# Allegro board IMX7D EVK BOARD REV D_160314.brd (continued)
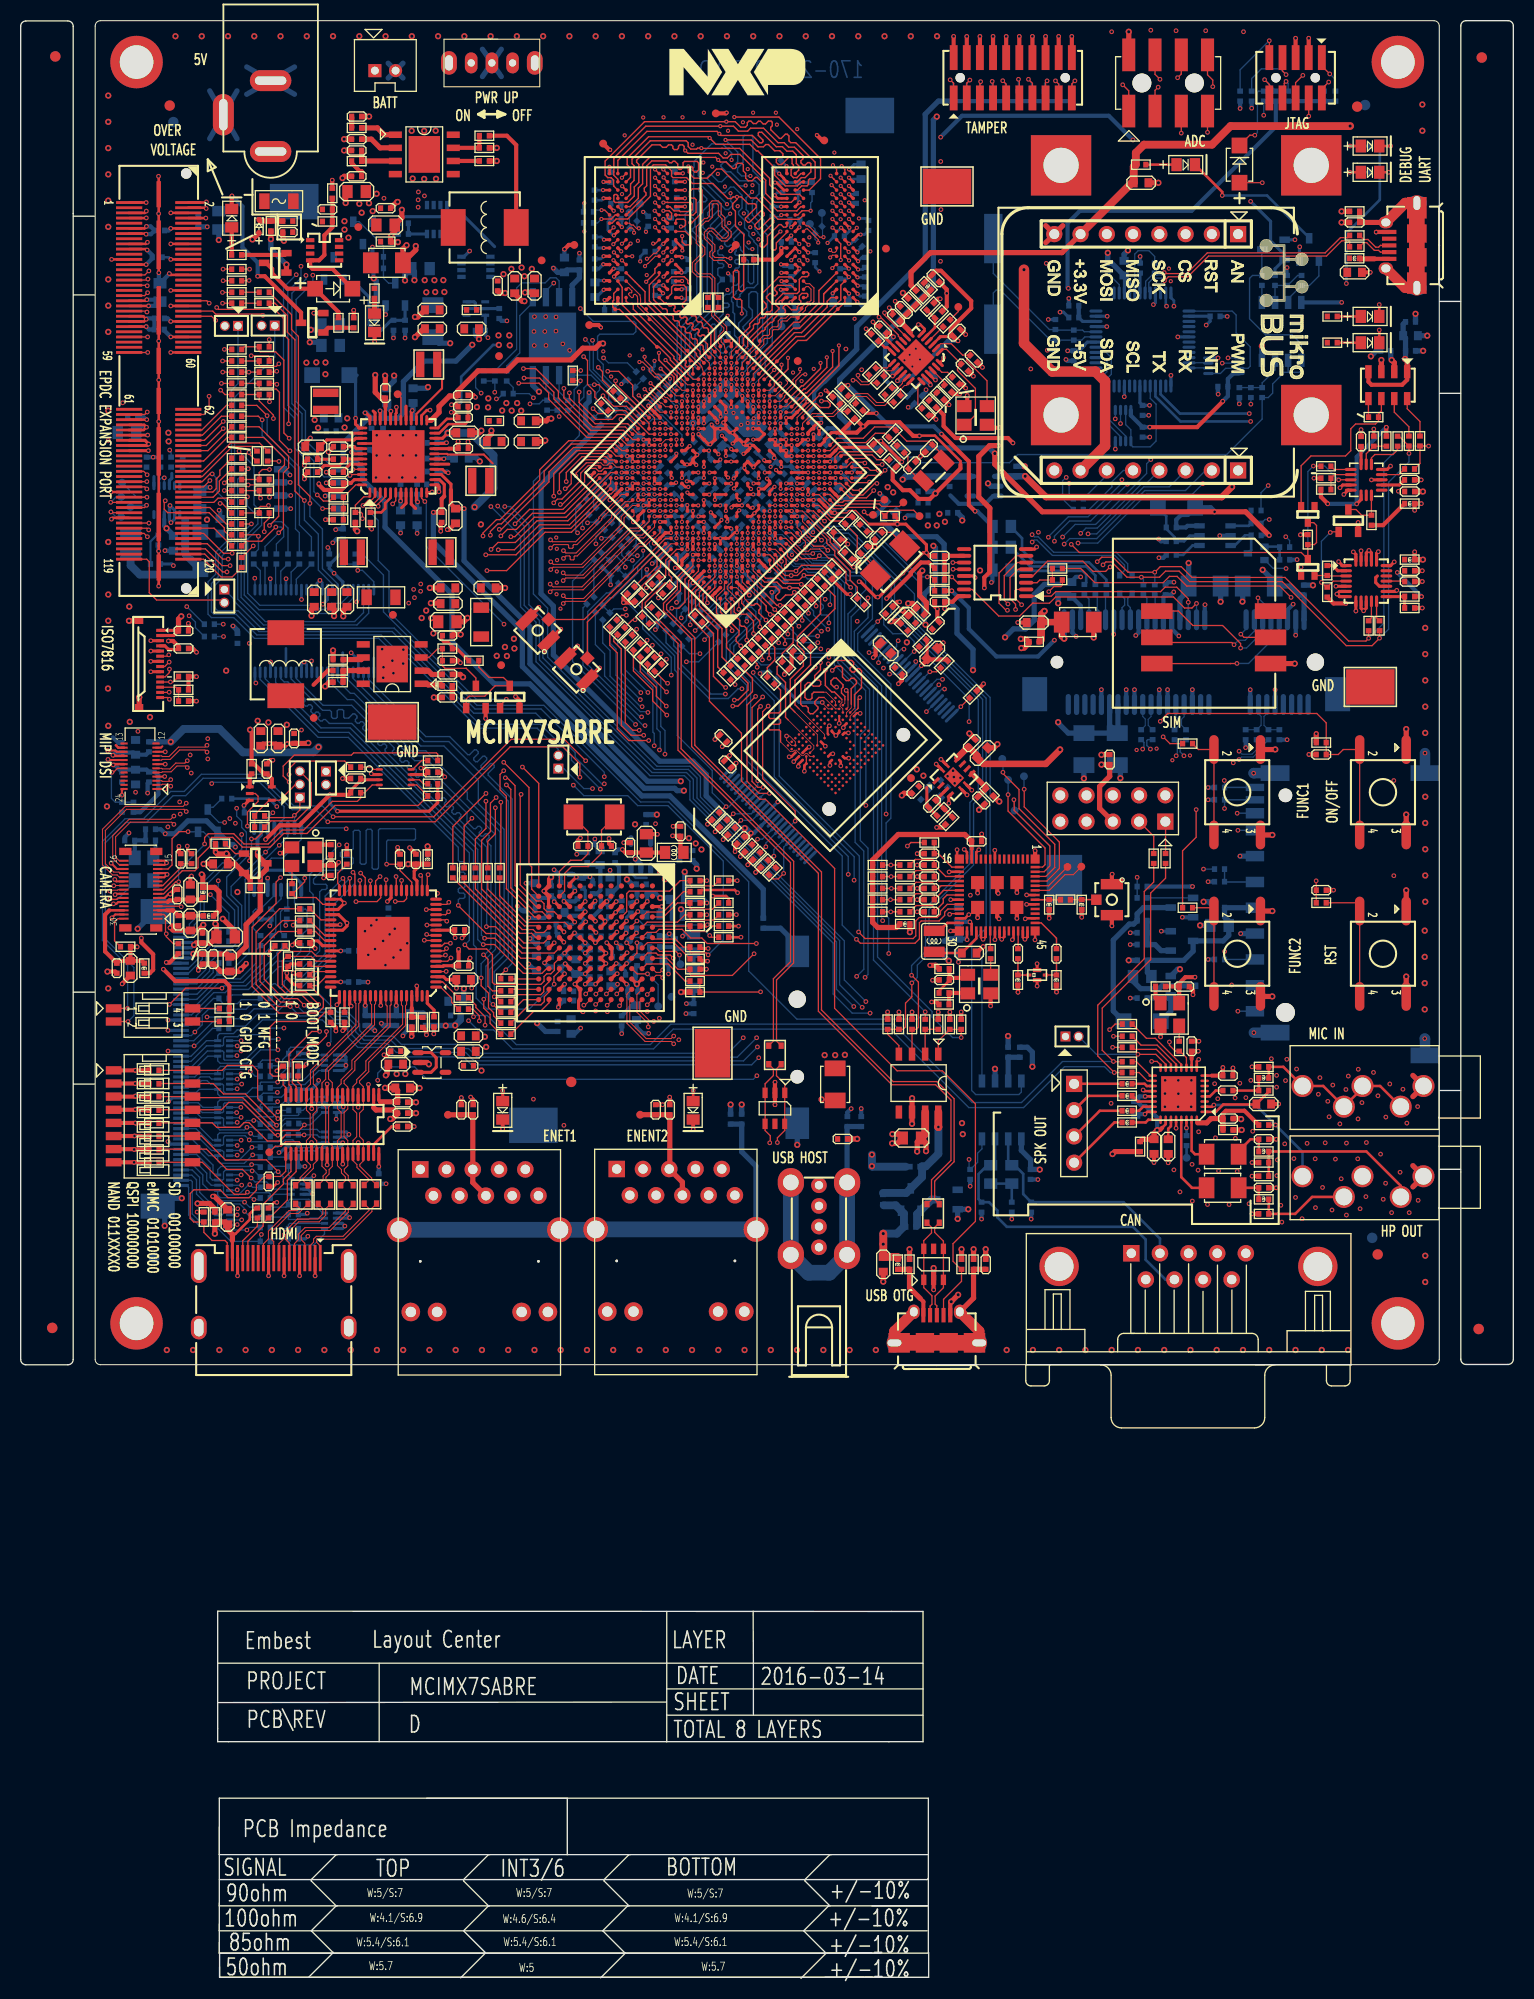
[diagram p0: board, top side]
## Routing (per net, layer and track width the routed paths; a pad name or vN(x,y) marks a point on that pad's centre or on a via; arc(x,y) is an arc through that point) (continued)
  TOP w0.508: 134.66,78.6 J15.1 134.66,76.56 ; C32.2 28.13,132.41 v2(28.13,131.79) ; v2(50.74,148.76) 50.62,148.65 C55.2 ; v2(10.48,131.31) 10.48,131.3 J18.16 ; v2(45.53,149.7) 45.53,149.4 45.09,148.96 C54.2 ; C395.2 25.35,168.17 v2(25.46,168.07) ; C198.2 103.79,129.69 v2(103.79,129.69) ; C45.2 46.85,134.49 v2(46.85,134.49) ; C13.2 46.35,163.01 v2(46.85,163.01) ; C34.2 31.2,132.3 v2(31.2,131.74) ; C33.2 v2(39.57,134.49) ; C27.2 44.36,149.49 v2(44.56,149.7) ; v2(43.22,131.59) 42.84,131.22 C4.2 ; v2(17.69,107.79) 17.69,107.79 C386.2 ; C35.2 30.31,132.43 v2(30.31,131.77) ; S4.1 v2(134.01,105.24) ; C219.2 35.43,87.46 v2(35.32,87.34) ; 134.66,85.29 J16.1 134.66,87.33 ; v2(38.14,160.7) 38.42,160.7 C39.2 ; TVS6.1 v2(91,70.52) ; C5.2 41.86,129.99 v2(42.56,129.99) ; C379.2 92.7,113.04 v2(92.7,113.02) ; v2(51.32,150.87) 51.07,150.87 50.84,150.65 C41.2 ; C49.2 35.27,155.01 v2(35.25,155.02) ; C12.2 v2(31.28,176.8) ; v2(44.33,158.56) 44.33,158.56 C40.2 ; D17.1 23.04,168.82 v2(22.41,168.19) ; C376.2 92.01,120.15 92.01,120.16 v2(91.76,120.41) ; 99.15,169.53 J32.8 ; J32.8 100.8,169.53 ; J32.8 99.15,167.89 ; v2(123.23,127.17) 123.22,127.17 122.28,127.17 J7.4 ; v2(36.46,171.82) 36.38,171.82 C3.2 ; C44.2 40.56,133.02 v2(39.68,133.02) ; v2(36.49,167.94) 35.82,167.94 TVS1.1 35.77,168.55 v1(35.85,168.62) 36.18,168.95 C2.2 36.87,170.28 v2(36.87,171.06) ; C18.2 v2(31.28,177.9) ; v2(84.29,80.77) 84.79,80.77 C363.2 84.94,81.65 v2(84.31,81.65) ; v2(94.47,119.37) 94.13,119.02 C375.2 ; v2(85.22,114.41) 85.44,114.63 C374.2 ; R251.1 v2(92.17,70.52) ; v1(37.81,91.1) 37.83,91.13 R136.1 ; v1(21.8,98.16) 21.8,98.11 v2(21.3,97.61) 21.08,97.39 C263.2 19.35,97.39 C265.2 C264.2 ; S2.1 v2(134.01,120.83) ; C11.2 31.29,174.3 v2(31.13,174.14) ; C228.2 v2(38.58,86.11) ; C298.2 v2(83.43,67.38) ; v2(19.54,102.48) 20.71,101.31 C261.2 ; C38.2 38.95,159.55 v2(38.14,158.74) ; C302.2 v2(93.34,70.52) ; C271.2 117.99,83.16 v2(118.05,83.1) ; C248.2 v2(135.63,143.81) ; v2(90.01,65.45) v2(90.67,66.12) ; S3.1 v2(121.06,103.24) ; C19.2 v2(33.7,180.09) ; v2(86.21,82.66) 86.21,82.66 U30.6 86.22,83.8 v2(86.22,85.13) ; C227.2 v2(38.24,84.74) ; S3.3 v2(121.06,94.97) ; v2(27.82,119.5) 27.77,119.45 C7.2 ; C14.2 49.61,163.09 48.8,163.09 v2(48.78,163.06) ; S1.1 121.34,118.86 v2(121.35,118.87) ; v2(11.47,123.92) 11.46,123.91 J18.15 ; C17.2 39.97,123.9 v2(39.97,123.89) ; U28.2 v2(88.3,68.7) ; TVS5.1 v2(85.97,70.52) ; S1.3 v2(121.06,110.59) ; v2(17.66,101.9) 17.59,101.82 C262.2 ; C10.2 31.43,172.65 v2(31.43,171.72) ; R163.1 v2(127.76,170.91) ; v2(80.91,81.2) 80.9,81.19 C300.1 ; R15.2 30.22,128.39 30.21,128.39 v2(30.21,128.44) ; v2(104.53,118.35) 104.56,118.37 C284.2 ; v2(39.48,88.41) 39.31,88.58 U14.2 ; C16.2 47.79,162.94 48.5,162.22 v2(48.73,162.22) ; C242.2 v2(127.76,169.84) ; C231.2 v2(38.24,83.68) ; v2(29.45,124.96) 29.86,125.37 R13.2 ; R18.2 v2(46.05,175.79) ; C226.2 18.74,75.63 v1(18.58,75.63) ; v2(37.32,167.63) 36.97,167.28 C1.2 38.21,167.18 v2(38.21,167.56) ; C15.2 42.51,126.12 v2(42.79,125.85) ; S4.3 v2(134.01,96.9) ; J22.2 v2(107.17,188.28) ; C390.2 v2(110.04,173.68) ; U22.3 v2(131.61,156.53) ; S2.3 v2(134.01,112.57) ; R17.2 v2(46.05,177.05)
  L2_GND_1 w0.508: 50.09,65.36 J27.14 ; J27.14 51.9,63.55 ; J27.14 50.09,63.55 ; J27.14 51.9,65.36 ; 99.15,169.53 J32.8 ; J32.8 100.8,167.89 ; J32.8 99.15,167.89 ; J32.8 100.8,169.53 ; 16.16,64.39 J9.23 ; J9.23 18.29,61.5 ; J9.23 18.29,64.39 ; J9.23 16.16,61.5 ; J27.12 41.18,63.55 ; J27.12 39.37,63.55 ; J27.12 41.18,65.36 ; J27.12 39.37,65.36 ; 109.89,115.25 J20.2 ; J20.2 111.54,115.25 ; J20.2 111.54,113.6 ; J20.2 109.89,113.6 ; J1.3 20.92,177.95 ; J1.3 18.28,182.57 ; J1.3 18.28,177.95 ; J1.3 20.92,182.57 ; 117.67,70.96 J19.5 ; J19.5 117.67,69.3 ; J19.5 119.33,69.3 ; J19.5 119.33,70.96 ; 134.66,85.29 J16.1 134.66,87.33 ; SW1.2 46.49,186.59 ; SW1.2 44.66,186.59 ; SW1.2 46.49,183.95 ; SW1.2 44.66,183.95 ; 69.09,65.4 J28.14 ; J28.14 70.9,65.4 ; J28.14 70.9,63.59 ; J28.14 69.09,63.59 ; J19.10 102.05,67.25 ; J19.10 98.83,67.25 ; J19.10 98.83,70.47 ; J19.10 102.05,70.47 ; 58.37,63.59 J28.12 ; J28.12 60.18,63.59 ; J28.12 58.37,65.4 ; J28.12 60.18,65.4 ; J9.21 18.29,70.86 ; J9.21 16.16,70.86 ; J9.21 16.16,66.95 ; J9.21 18.29,66.95 ; J26.4 78.01,77.52 ; J26.4 78.01,75.91 ; J26.4 76.41,77.52 ; J26.4 76.41,75.91 ; 134.66,76.56 J15.1 134.66,78.6 ; 30.66,61.5 J9.22 ; J9.22 30.66,64.39 ; J9.22 32.79,64.39 ; J9.22 32.79,61.5 ; 30.66,70.86 J9.20 ; J9.20 30.66,66.95 ; J9.20 32.79,66.95 ; J9.20 32.79,70.86 ; 107.99,68.42 J19.6 ; J19.6 107.99,66.76 ; J19.6 109.65,66.76 ; J19.6 109.65,68.42 ; 35.54,183.81 J2.2 ; J2.2 36.98,183.81 ; J2.2 36.98,185.24 ; J2.2 35.54,185.24 ; 123.85,67.25 J19.11 ; J19.11 127.08,67.25 ; J19.11 123.85,70.47 ; J19.11 127.08,70.47 ; 99.15,146.67 J33.8 ; J33.8 99.15,145.03 ; J33.8 100.8,146.67 ; J1.2 26.49,182.24 ; J1.2 26.49,184.88 ; J1.2 21.86,182.24 ; J1.2 21.86,184.88
  L4_PWR_1 w0.508: J9.20 32.79,66.95 ; J9.20 30.66,70.86 ; J9.20 30.66,66.95 ; J9.20 32.79,70.86 ; J26.4 78.01,75.91 ; J26.4 76.41,77.52 ; J26.4 76.41,75.91 ; J26.4 78.01,77.52 ; 134.66,85.29 J16.1 134.66,87.33 ; J19.10 102.05,67.25 ; J19.10 98.83,67.25 ; J19.10 102.05,70.47 ; J19.10 98.83,70.47 ; J9.23 18.29,61.5 ; J9.23 16.16,64.39 ; J9.23 16.16,61.5 ; J9.23 18.29,64.39 ; 39.37,65.36 J27.12 ; J27.12 41.18,65.36 ; J27.12 41.18,63.55 ; J27.12 39.37,63.55 ; J19.5 119.33,70.96 ; J19.5 117.67,69.3 ; J19.5 119.33,69.3 ; J19.5 117.67,70.96 ; J1.3 20.92,182.57 ; J1.3 18.28,182.57 ; J1.3 18.28,177.95 ; 107.99,68.42 J19.6 ; J19.6 109.65,66.76 ; J19.6 109.65,68.42 ; J19.6 107.99,66.76 ; 134.66,78.6 J15.1 134.66,76.56 ; 58.37,63.59 J28.12 ; J28.12 60.18,65.4 ; J28.12 58.37,65.4 ; J28.12 60.18,63.59 ; 50.09,65.36 J27.14 ; J27.14 51.9,63.55 ; J27.14 51.9,65.36 ; J27.14 50.09,63.55 ; 21.86,184.88 J1.2 ; J1.2 26.49,182.24 ; J1.2 21.86,182.24 ; J1.2 26.49,184.88 ; 69.09,63.59 J28.14 ; J28.14 69.09,65.4 ; J28.14 70.9,65.4 ; J28.14 70.9,63.59 ; J2.2 36.98,185.24 ; J2.2 36.98,183.81 ; J2.2 35.54,185.24 ; J2.2 35.54,183.81 ; 16.16,70.86 J9.21 ; J9.21 16.16,66.95 ; J9.21 18.29,66.95 ; SW1.2 46.49,186.59 ; SW1.2 44.66,186.59 ; SW1.2 44.66,183.95 ; SW1.2 46.49,183.95 ; 30.66,61.5 J9.22 ; J9.22 32.79,61.5 ; J9.22 30.66,64.39 ; J9.22 32.79,64.39 ; 123.85,70.47 J19.11 ; J19.11 123.85,67.25 ; J19.11 127.08,70.47 ; J19.11 127.08,67.25
  L5_PWR_2 w0.508: 117.67,70.96 J19.5 ; J19.5 119.33,69.3 ; J19.5 119.33,70.96 ; J19.5 117.67,69.3 ; J27.12 41.18,63.55 ; J27.12 39.37,65.36 ; J27.12 41.18,65.36 ; J27.12 39.37,63.55 ; J27.14 51.9,65.36 ; J27.14 51.9,63.55 ; J27.14 50.09,63.55 ; J27.14 50.09,65.36 ; J1.2 26.49,184.88 ; J1.2 21.86,182.24 ; J1.2 21.86,184.88 ; J1.2 26.49,182.24 ; 123.85,67.25 J19.11 ; J19.11 127.08,70.47 ; J19.11 123.85,70.47 ; J19.11 127.08,67.25 ; 99.15,167.89 J32.8 ; J32.8 100.8,169.53 ; J32.8 100.8,167.89 ; J32.8 99.15,169.53 ; 76.41,75.91 J26.4 ; J26.4 78.01,75.91 ; J26.4 78.01,77.52 ; J26.4 76.41,77.52 ; J28.12 60.18,65.4 ; J28.12 58.37,65.4 ; J28.12 60.18,63.59 ; J28.12 58.37,63.59 ; 134.66,78.6 J15.1 134.66,76.56 ; 16.16,66.95 J9.21 ; J9.21 18.29,66.95 ; J9.21 18.29,70.86 ; J9.21 16.16,70.86 ; J9.23 18.29,61.5 ; J9.23 18.29,64.39 ; J9.23 16.16,64.39 ; J9.23 16.16,61.5 ; 134.66,85.29 J16.1 134.66,87.33 ; J19.10 102.05,67.25 ; J19.10 102.05,70.47 ; J19.10 98.83,67.25 ; J19.10 98.83,70.47 ; J19.6 109.65,68.42 ; J19.6 107.99,66.76 ; J19.6 109.65,66.76 ; J19.6 107.99,68.42 ; 69.09,63.59 J28.14 ; J28.14 69.09,65.4 ; J28.14 70.9,63.59 ; J28.14 70.9,65.4 ; J2.2 36.98,183.81 ; J2.2 36.98,185.24 ; J2.2 36.26,183.26 ; 44.66,183.95 SW1.2 ; SW1.2 44.66,186.59 ; SW1.2 46.49,186.59 ; SW1.2 46.49,183.95 ; 18.28,182.57 J1.3 ; J1.3 20.92,177.95 ; J1.3 18.28,177.95 ; J1.3 20.92,182.57 ; 30.66,61.5 J9.22 ; J9.22 30.66,64.39 ; J9.22 32.79,61.5 ; J9.22 32.79,64.39 ; J9.20 32.79,70.86 ; J9.20 30.66,66.95 ; J9.20 32.79,66.95 ; J9.20 30.66,70.86
  L7_GND_2 w0.508: J28.14 70.9,63.59 ; J28.14 70.9,65.4 ; J28.14 69.09,65.4 ; J28.14 69.09,63.59 ; 76.41,75.91 J26.4 ; J26.4 78.01,77.52 ; J26.4 78.01,75.91 ; J26.4 76.41,77.52 ; J27.12 41.18,65.36 ; J27.12 41.18,63.55 ; J27.12 39.37,63.55 ; J27.12 39.37,65.36 ; 98.83,70.47 J19.10 ; J19.10 102.05,70.47 ; J19.10 98.83,67.25 ; J19.10 102.05,67.25 ; 30.66,66.95 J9.20 ; J9.20 32.79,70.86 ; J9.20 30.66,70.86 ; J9.20 32.79,66.95 ; J19.5 119.33,69.3 ; J19.5 117.67,69.3 ; J19.5 119.33,70.96 ; J19.5 117.67,70.96 ; 134.66,78.6 J15.1 134.66,76.56 ; 16.16,61.5 J9.23 ; J9.23 16.16,64.39 ; J9.23 18.29,64.39 ; J9.23 18.29,61.5 ; 109.89,113.6 J20.2 ; J20.2 111.54,113.6 ; J20.2 109.89,115.25 ; J20.2 111.54,115.25 ; 21.86,184.88 J1.2 ; J1.2 21.86,182.24 ; J1.2 26.49,184.88 ; J1.2 26.49,182.24 ; 107.99,68.42 J19.6 ; J19.6 109.65,66.76 ; J19.6 109.65,68.42 ; J19.6 107.99,66.76 ; 35.54,185.24 J2.2 ; J2.2 36.98,185.24 ; J2.2 36.98,183.81 ; J2.2 35.54,183.81 ; 44.66,183.95 SW1.2 ; SW1.2 46.49,183.95 ; SW1.2 44.66,186.59 ; SW1.2 46.49,186.59 ; 99.15,169.53 J32.8 ; J32.8 100.8,167.89 ; J32.8 99.15,167.89 ; J32.8 100.8,169.53 ; J19.11 127.08,67.25 ; J19.11 123.85,70.47 ; J19.11 123.85,67.25 ; J19.11 127.08,70.47 ; 50.09,65.36 J27.14 ; J27.14 51.9,63.55 ; J27.14 50.09,63.55 ; J27.14 51.9,65.36 ; J9.21 18.29,66.95 ; J9.21 16.16,66.95 ; J9.21 18.29,70.86 ; J9.21 16.16,70.86 ; J1.3 20.92,177.95 ; J1.3 18.28,182.57 ; J1.3 18.28,177.95 ; J1.3 20.92,182.57 ; 134.66,85.29 J16.1 134.66,87.33 ; J33.8 100.8,146.67 ; J33.8 99.15,146.67 ; J33.8 99.15,145.03 ; J28.12 60.18,65.4 ; J28.12 58.37,63.59 ; J28.12 58.37,65.4 ; J28.12 60.18,63.59 ; J9.22 32.79,64.39 ; J9.22 30.66,61.5 ; J9.22 32.79,61.5 ; J9.22 30.66,64.39
  BOTTOM w0.254: v1(28.13,127.43) 28.15,127.4 28.15,127.32 28.16,127.32 U36.13 ; v3(54.51,171.71) 54.43,171.63 R82.1 ; v3(64.25,171.37) 63.57,171.37 C149.2 ; v3(77.26,165.1) 76.84,165.52 C168.2 ; C159.2 81.42,164.56 81.39,164.53 v3(80.93,164.53) ; v3(75.33,165.38) 75.33,165.24 74.68,164.6 C158.2 ; U36.21 24.16,127.09 24.17,127.09 v1(24.17,127.32) ; v3(63.97,143.01) 63.4,143.57 C113.2 ; C109.2 63.16,147.22 63.17,147.22 v3(63.42,147.47) ; C111.2 69.73,140.3 v3(69.28,139.85) ; C137.2 57.09,171.24 v3(57.36,170.97) ; v3(73.52,163.34) 74.09,162.77 C153.2 ; v3(68.96,145.07) 68.96,145.36 68.98,145.36 C128.2 69.72,146.09 v3(70,146.09) ; C116.2 67.67,146.42 v3(67.67,146.91) ; v3(74.08,175.28) 74.08,175.28 C145.2 ; v3(73.51,144.08) 73.51,144.56 C99.2 ; v3(72.91,144.27) 72.53,143.89 C98.2 ; C67.2 67.62,145.1 v3(67.14,145.1) ; C74.2 73.95,150.41 v3(73.5,150.41) ; v3(80.95,162.94) 81.18,162.71 C178.2 ; v3(80.93,166.95) 80.93,167.05 C166.2 ; v3(56.32,172.97) 56.32,172.96 C157.2 ; C160.2 59.92,166.54 v3(59.92,166.08) ; R84.1 54.52,169.71 v3(54.52,168.97) ; v3(70.96,141.71) 70.75,141.49 C110.2 ; v3(66.6,144.59) 66.52,144.59 C115.2 ; U36.10 29.66,125.17 v2(29.45,124.96) ; v3(63.39,144.68) 63.1,144.39 C84.2 ; C420.1 26.94,102.46 v1(26.35,101.87) ; v3(62.16,169.37) 62.84,169.37 C150.2 ; C141.2 74.89,152.83 75.81,152.83 v3(76.11,152.52) 75.68,152.09 R80.2 ; v1(31.96,128.21) 32.66,127.52 U36.4 ; C176.2 64.29,164.99 v3(63.92,164.99) 63.26,164.99 C151.2 ; v3(67.49,147.42) 67.49,147.87 C85.2 68.41,148.24 v3(68.73,147.92) ; v1(14.52,166.26) 14.31,166.47 C254.2 ; C89.2 71.01,145.47 v3(71.39,145.1) ; U36.24 22.66,125.38 v1(22.74,125.29) ; C144.2 63.99,163.43 v3(63.93,163.37) ; v3(61.31,145.65) 61.31,145.71 C92.2 ; v3(81,165.29) 81.45,165.29 81.64,165.48 C162.2 ; U36.14 27.66,127.08 v1(27.42,127.32) 27.16,127.06 U36.15 ; 55.97,166.32 56.13,166.32 v3(56.38,166.57) ; C155.2 61.92,162.78 v3(62.13,162.99) ; v3(57.38,168.59) 57.3,168.59 56.8,169.09 56.8,169.89 C142.2 ; R81.1 73.1,171.37 73.1,171.37 v3(73.55,171.37) ; C139.2 63.22,167.25 v3(62.97,167) ; v3(80.1,165.37) 79.27,165.37 C163.2 ; C81.2 68.22,147.27 v3(68.2,147.25) ; v3(68.98,144.1) 69.21,143.87 C124.2 ; C161.2 80.72,171.77 v3(80.12,171.77) ; v3(81.08,170.23) 81.61,170.23 81.8,170.23 C136.2 ; C147.2 63.42,174.59 v3(64.04,174.59) ; v3(80.12,174.97) 80.6,175.46 C164.2 ; v1(24.14,135.38) 24.16,135.36 U36.28 ; U36.34 27.16,133.48 27.16,133.47 v1(27.16,133.37) ; C143.2 57.58,164.4 v3(57.39,164.6) ; v3(75.31,169.36) 75.37,169.42 C167.2 ; C127.2 72.46,142.65 v3(72.46,141.92) 71.93,141.92 C118.2 ; v3(72.44,152.54) 72.44,153.41 R86.1 ; U36.45 32.66,133.3 v1(32.5,133.14) ; U36.38 29.16,135.01 v1(28.94,135.22) 28.66,134.94 U36.37 ; v3(79.36,169.33) 78.71,168.68 C165.2 78.06,167.86 v3(78.04,167.86) ; v3(76.16,145.65) 76.14,145.67 C91.2 75.07,145.67 C93.2 73.59,146.22 v3(73.57,146.19) ; v3(72.96,173.7) 73.42,173.7 73.42,173.7 C174.2 C138.2 R83.1
  BOTTOM w0.305: RN23.5 31.18,88.31 v1(31.46,88.31) ; C87.2 78.68,141.69 v1(78.73,141.74) 78.73,142.02 C86.2 ; v3(76.16,148.83) 75.82,148.49 C76.2 ; v3(64.48,142.5) 64.31,142.5 C101.2 ; RN19.3 31.76,73.52 v1(31.81,73.58) 31.37,74.02 RN19.1 ; R262.2 57.24,99.62 v1(56.69,100.17) ; v3(78.54,162.99) 78.54,162.16 C180.2 ; RN21.1 31.51,81.86 v1(31.75,81.63) 31.48,81.36 RN21.3 ; v1(57.6,104.15) 57.69,104.24 C310.2 ; C140.2 60.71,152.2 v3(60.71,152.11) ; C361.2 100.86,161.16 v1(100.53,161.16) ; C114.2 64.19,147.69 v3(64.7,148.21) ; C240.2 v1(108.27,166.55) ; C318.2 54.64,98.16 v1(54.6,98.16) ; v3(77.43,150.46) 77.43,150.99 C95.2 ; C79.2 76.64,140.51 v3(76.64,139.87) 76.01,139.87 R35.1 ; v1(55.56,104.21) 55.56,103.98 C331.2 ; RN22.1 31.16,85.25 31.2,85.21 31.2,84.77 ; C177.2 v3(56.47,162.34) ; J14.9 14.5,80.69 v1(14.25,80.94) ; v3(66.61,137.15) 66.76,137.15 C104.2 ; v1(31.2,84.3) 31.2,83.81 31.14,83.75 RN22.7 30.54,83.12 v1(30.52,83.1) ; v1(31.2,84.3) 31.2,84.77 ; v1(31.2,84.3) 31.16,84.25 RN22.5 ; C245.2 109.2,149.07 v1(109.21,149.08) ; 28.05,77.34 28.1,77.39 ; 28.05,77.34 28.05,76.98 27.91,76.84 RN20.3 ; 28.05,77.34 28.1,77.34 28.1,77.39 ; 28.05,77.34 RN20.1 ; 28.1,77.39 v1(28.36,77.64) ; J14.27 v1(14.25,89.69) ; v3(70.88,146.16) 70.88,146.56 C100.2 70,146.4 v3(70,146.09) ; R87.2 68.39,158.72 v3(68.73,158.38) ; U18.34 106.75,152.99 v1(106.74,152.98) ; v3(73.57,146.19) 73.16,146.6 C78.2 ; C340.2 56.14,101.84 v1(56.53,102.23) ; U12.36 86.57,127.14 v1(86.57,127.37) ; C108.2 68.29,138.67 v3(67.67,139.28) 67.71,139.28 C120.2 ; C244.1 99.4,160.45 v1(99.39,160.45) ; RN22.3 31.19,84.75 31.2,84.77 ; v3(72.41,136.13) 71.92,136.13 C69.2 ; v1(14.3,84.81) 14.69,85.19 J14.18 ; RN19.5 31.1,73.02 v1(31.36,72.76) 31.11,72.52 RN19.7 ; C266.2 21.6,112.8 v1(21.6,113.45) ; v1(71.51,126.21) 71.65,126.34 C191.2 ; v1(31.46,88.31) 31.46,88.82 ; v1(31.46,88.31) 31.46,88.06 31.21,87.81 RN23.7 ; C68.2 70.48,133.79 v1(70.48,133.79) ; v3(73.57,167.37) 73.57,167.37 C170.2 ; v3(76.16,143.53) 76.64,144.01 C107.2 ; C172.2 55.69,162.62 v3(56.39,163.32) ; 55.59,100.22 55.59,100.34 C342.2 ; 55.59,100.22 C338.2 ; 55.59,100.22 v1(55.59,100.17) ; C423.1 C422.1 24.19,101.9 v1(24.09,101.8) ; v3(66.08,145.13) 65.57,145.13 C77.2 ; C97.2 79.65,147.66 v3(79.23,148.09) ; v1(54.6,99.16) 54.13,99.63 C345.2 ; U18.25 v1(111.25,155.05) ; C123.2 62.54,138.21 R71.2 61.17,136.84 v1(61.08,136.84) ; Q22.2 123.68,167.46 v1(123.71,167.48) ; C78.2 72.97,146.63 v3(72.54,146.2) ; C78.2 73.16,146.78 v1(72.88,147.06) 72.71,147.06 C66.2 ; U19.4 v1(105.88,147.92) ; v1(99.3,157.47) 99.31,157.48 C243.1 ; v3(80.39,145.65) 80.65,145.92 C130.2 ; U18.45 v1(105.05,159.77) ; R67.2 64.71,134.66 v1(65.02,134.98) 65.21,134.98 C121.2 ; U18.47 v1(105.09,160.77) ; RN21.7 30.85,80.36 31.15,80.66 v1(31.15,80.82) 31.1,80.86 RN21.5 ; 31.46,88.82 31.46,89.12 31.27,89.31 RN23.1 ; 31.46,88.82 31.45,88.81 RN23.3 ; v1(109.56,161.89) 109.75,162.09 U18.9 ; v1(73.22,113.79) 73.22,113.79 72.11,112.67 U12.13 ; v1(29.7,138.4) 29.85,138.26 C381.2 ; v3(68.72,144.59) 68.24,144.11 C126.2 ; v1(81.52,145.69) 81.49,145.69 80.88,145.07 C131.2 ; C125.2 67.48,143.34 v3(67.14,143.01) ; v3(74.6,137.68) 74.6,137.92 C82.2 ; v3(65.02,149.35) 65.02,148.76 C112.2 ; C343.2 55.16,101.64 v1(55.64,101.16) ; R614.2 35.95,168.73 v1(35.85,168.62) ; v1(115.81,156.74) 115.68,156.74 115.68,156.73 U17.4 ; R66.2 61.59,130.66 v1(61.39,130.46) ; v3(56.94,175.22) 57.01,175.15 C169.2 ; D22.1 v1(123.25,168.17) ; v1(79.28,143.22) 79.39,143.11 80.08,143.11 C362.2 ; C336.2 59.68,96.08 v2(59.59,96.17) ; R294.2 116.69,160.76 v1(116.7,160.75) ; v3(67.78,141.06) 67.78,141.52 C119.2 ; J14.31 v1(14.25,91.69) ; C122.2 66.42,140.53 v3(66.07,140.88) ; 55.97,166.32 C152.2 ; R88.2 68.84,164.5 v3(68.42,164.91) ; C146.2 60.48,169.25 v3(60.48,168.93) ; v1(14.08,98.27) 14.16,98.19 J14.44 ; C421.1 25.64,102.36 v1(25.64,101.85) ; RN20.7 28.18,75.84 v1(28.23,75.89) 27.78,76.34 RN20.5 ; C327.2 59.19,104.16 v1(59.61,104.16) 59.62,104.18 C311.2 ; TP14.1 73.59,161.19 C156.2 73.59,162.03 v3(73.5,162.13) ; U36.39 29.66,133.35 v1(29.22,132.91) ; C175.2 55.63,167.37 v3(56.39,167.37) ; U18.18 v1(111.92,158.77) ; C117.2 64.97,141.41 v3(65.55,141.41) 65.55,141.55 C88.2 ; C359.2 v1(109.11,151.18) ; J14.33 v1(14.25,92.69) ; R551.2 v1(122.49,165.47) ; v3(62.9,139.81) 62.17,139.81 C70.2 ; 14.39,142.41 v1(14.44,142.46) 14.89,142.01 U43.8 14.89,141.16 v1(14.54,140.81) 14.39,140.96 U43.9 14.39,142.41
  BOTTOM w0.381: C323.2 62.66,97.97 v1(62.66,97.15) ; U23.6 23.88,106.31 23.89,106.32 v1(23.89,106.42) ; C320.2 v1(64.34,93.31)
  BOTTOM w0.406: C366.2 58.48,154.59 v3(58.1,154.21) ; R625.1 13.31,138.07 v1(13.35,138.04) ; C409.2 54.93,96.84 v1(54.6,97.16) ; C450.2 9.43,119.53 8.93,120.03 ; C322.2 62.8,101.03 v1(62.72,101.03) 62.52,100.83 R278.2 ; v2(44.33,158.56) 43.98,158.91 R616.2 ; v1(114.55,132.87) 114.53,132.84 J8.18 ; R567.1 v1(119.06,180.89) ; C453.2 v1(12.81,147.14) C452.2 ; C345.2 54.14,99.7 v1(54.61,100.16) 55.1,99.67 C317.2 54.74,99.16 v1(54.6,99.16) 55.1,98.66 C318.2 ; C301.2 v1(81.3,84.13) ; J8.21 v1(113.33,124.65) ; v1(123.46,137.23) 123.44,137.22 R349.1 ; C412.2 52.51,96.07 v1(52.61,96.16) ; v1(112.36,102.63) 112.36,102.63 Q8.2 ; v1(121.33,124.65) J8.9 ; v1(36.97,91.15) 36.97,91.26 C224.2 ; R615.1 46.52,160.32 v1(47.03,160.32) ; C229.1 v1(35.34,76.85) ; v1(14.52,158.76) 13.89,159.4 C255.2 ; C309.2 53.48,106.79 v1(53.75,106.52) 53.76,106.52 53.78,106.52 53.89,106.41 C308.2 54.53,106.55 v1(55.05,106.55) 55.33,106.27 C392.2 ; v1(102.53,135.55) 102.07,135.55 101.66,135.14 C205.2 ; v1(29.45,143.38) 29.45,143.4 29.48,143.43 U41.7 ; Q31.2 v1(35.29,160.93) ; C206.2 110.99,135.05 111.54,135.05 v1(111.54,135.05) ; C426.2 88.48,154.83 v1(88.48,154.6) ; R626.1 14.11,138.09 14.11,138.09 v1(13.96,138.09) ; C433.2 84.34,155.23 v1(84.34,154.98) ; C197.2 v1(114.85,106.07) ; C383.2 110.53,137.41 v1(110.1,137.41) ; C94.2 78.13,148.54 v1(78.13,149.22) ; v1(30.19,138.86) 30.56,139.23 C408.2 ; v1(57.72,96.16) 57.53,95.97 C319.2 ; R568.1 v1(117.94,180.87) ; v1(52.01,93.92) 52.01,94.07 C333.2 ; v1(54.6,97.16) 54.59,97.15 C346.2 53.66,97.15 v1(52.67,98.14) 52.33,97.8 C393.2 52.18,97.59 v1(52.61,97.16) ; v1(54.6,97.16) 55.07,97.63 C410.2 55.04,97.73 v1(54.6,98.16) ; C360.2 101.23,156.46 v1(101.1,156.58) ; C210.2 33.08,99 v1(33.62,99) ; v1(110.07,139.21) 110.28,139 C356.1 ; C190.2 v1(54.04,166.87) ; C455.2 19.3,141.9 v1(19.19,142) ; v1(107.85,129.89) 108.13,130.17 J8.34 ; v1(37.17,158.67) 37.18,158.68 R547.2 ; C189.2 v1(52.6,167.25) ; v1(26.05,145.41) 25.49,145.97 U41.4 ; v1(13.36,164.98) 13.36,164.07 C259.2 14.38,164.86 v1(14.38,164.9) ; v1(36.19,101.53) 36.19,101.53 36.11,101.6 36.11,101.62 35.57,102.17 C212.2 ; J8.50 101.73,130.15 v1(102.08,129.8) ; C414.2 56.91,102.61 v1(56.53,102.23) ; C332.2 53.61,91.36 v1(54.16,91.92) ; v1(106.93,124.65) J8.37 ; C454.2 17.66,144.21 v1(18.32,144.21) ; C334.2 49.76,100.95 49.39,100.58 v1(49.26,100.58) 49.77,100.07 C411.2 ; C232.2 v1(90.7,98.29) ; C335.2 59.57,92.02 60.19,91.4 v1(60.74,91.4) ; v1(110.93,124.65) J8.27 ; C328.2 v1(48.87,105.93) ; C341.2 59.57,101.14 v1(59.56,101.12) ; v1(34.43,147.3) 33.88,147.85 C58.2 ; C47.2 v1(38.35,139.77) ; v1(10.48,110.79) 10.07,110.38 C448.2 ; C241.2 115.8,153.26 v1(115.82,153.23) ; C344.2 50.65,102.57 v1(49.15,102.57) ; C325.2 49.77,97.48 v1(49.14,98.11) ; v1(104.53,124.65) J8.43 ; C283.2 v1(95.86,73.45) ; R634.2 v1(122.49,119.81) ; v1(64.02,100.8) 64.21,100.99 C321.2 ; J8.4 123.33,129.93 v1(123.32,129.92) ; v1(50.67,98.22) 51.07,97.82 C326.2 ; R611.2 34.02,166.62 v1(34.02,167.46) ; C324.2 59.47,97.8 R274.2 59.47,96.29 v2(59.59,96.17) ; J8.26 111.33,130.53 v1(112.02,129.84) ; C282.2 v1(92.94,73.45) ; v1(117.87,152.29) R549.2 ; U41.3 v1(26.07,144.7) ; C413.2 v1(57.01,107.18) ; C43.2 v1(36.74,139.8) ; v1(85.84,151.96) 86.08,151.96 C430.2 ; v1(118.93,124.65) J8.15 ; U41.2 v1(26.12,143.43) ; U41.1 v1(26.12,142.16) ; v1(14.52,160.26) 14.22,160.56 C256.2 ; C278.2 98.37,77.28 v1(98.39,77.26) ; C396.2 36.06,158.67 v1(36.05,158.67) ; C258.2 14.32,169.06 v1(14.52,169.26) ; J8.40 105.72,131.41 v1(105.72,130) ; C211.2 33.58,96.37 v1(33.59,96.36) ; v1(110.13,124.65) J8.29 ; C337.2 61.86,103.52 v1(62.01,103.66) ; R250.1 79.95,83.75 v1(80.33,84.12) ; C281.2 v1(97.74,73.45) ; J8.35 v1(107.73,124.65) ; C330.2 55.54,109.63 v1(55.54,110.2) ; C329.2 v2(51.3,106.51) ; v1(118.48,119.04) 118.48,119.07 118.48,119.07 R635.2 ; U37.2 v1(115.98,139.54) ; C269.2 107.92,83.59 v1(108.74,83.59)
  BOTTOM w0.508: v2(118.17,133.16) 118.2,133.19 C202.2 ; C316.2 65.38,107.72 v2(65.38,107.33) ; C380.2 20.97,130.37 v1(20.53,130.8) ; C53.2 43.39,147.11 44.02,147.11 v2(44.41,146.73) ; C48.2 36.12,154.51 v2(36.12,155.02) ; R258.2 v2(69.74,84.52) ; C201.2 124.98,134.76 v2(124.99,134.74) ; v1(66.36,104.02) 66.03,104.35 C307.2 64.24,106.99 64.22,107 v2(64.22,107.03) ; J6.6 v1(117.94,108.54) ; Q7.2 111.9,97.61 v2(112.13,97.61) ; v2(27.96,158.25) 28.78,158.25 C57.2 ; v2(114.41,104.13) 114.9,104.13 C196.2 ; v2(94.24,87.97) 94.24,87.96 U25.2 ; U44.2 59.98,107.71 v1(59.45,108.25) ; J2.2 36.98,185.24 ; J2.2 35.54,185.24 ; J2.2 35.54,183.81 ; J2.2 36.98,183.81 ; C129.2 91.07,141.31 v2(91.07,141.01) ; C204.2 106.37,117.04 v2(106.37,116.09) ; v2(61.53,112.57) C313.2 ; J6.3 v1(118,101.05) ; C353.2 v2(68.66,84.52) ; C378.2 v2(97.11,146.25) ; v2(116.06,133.16) 116.06,133.16 C203.2 ; v2(93.56,144.6) 93.83,144.33 U33.2 ; U11.4 49.53,154.07 v2(50.13,153.47) ; C253.2 131.13,157.42 v2(130.59,156.89) ; v2(107.1,167.14) 106.72,166.76 C358.2 ; C419.2 v1(18.04,169.42) ; C223.2 35.1,92.16 v1(34.89,92.37) ; J1.2 26.49,182.24 ; J1.2 21.86,182.24 ; J1.2 21.86,184.88 ; J1.2 26.49,184.88 ; v2(37.17,164.23) 37.17,164.76 C439.2 38.09,165.07 v2(38.09,164.26) ; C214.2 42.86,94.59 42.86,95.72 v2(42.87,95.73) ; 44.66,183.95 SW1.2 ; SW1.2 46.49,183.95 ; SW1.2 46.49,186.59 ; SW1.2 44.66,186.59 ; 134.66,87.33 J16.1 134.66,85.29 ; v2(41.54,158.16) 40.45,158.16 C438.2 ; v2(88.48,143.63) 88.28,143.83 C90.2 ; v2(11.31,101.52) 12.99,103.19 J14.52 ; 18.28,177.95 J1.3 ; J1.3 18.28,182.57 ; J1.3 20.92,182.57 ; J1.3 20.92,177.95 ; C252.2 v2(136.05,158.89) ; C195.2 v2(114.08,101.85) ; C418.2 v2(19.16,168.14) ; v2(58.63,106.29) 59.11,105.82 C315.2 ; 134.66,76.56 J15.1 134.66,78.6 ; C279.2 95.51,91.14 v2(95.5,91.14) ; C222.2 33.75,92.16 v1(34.25,91.66) ; v2(28.06,159.45) 28.6,159.45 C56.2 ; J3.2 v2(75.11,80.62) ; C36.2 39.28,153.8 v2(39.4,153.92) ; C199.2 v2(102.84,116.06) ; U40.4 v2(120.05,157.88) ; v2(13.93,72.79) 13.93,74.03 J14.51 14.04,75.46 v2(15.58,75.46) ; C251.2 v2(135.65,157.42) ; C96.2 84.65,140.81 v1(84.8,140.66) ; v2(90.63,73.46) Q25.2 v2(91.65,74.39)
  BOTTOM w1.016: J6.12 119.26,116.57 v1(119.25,116.57) ; J6.15 135.83,90.87 v1(135.8,90.9) ; J6.14 135.83,116.58 v1(135.83,118.51) ; J6.13 v1(119.28,91.47)
  vias: v1(8.47,148.76) v1(9.87,152.39) v1(11.11,114.73) v1(11.34,120.62) v1(14.24,111.37) v1(15.38,113.79) v1(15.43,112.62) v1(16.39,118.33) v1(16.5,116.58) v1(18.1,119.91) v1(18.1,117.95) v1(33.3,101.29) v1(33.91,101.84) v1(34.27,99.56) v1(34.37,145.17) v1(34.43,102.38) v1(34.96,128.57) v1(35.05,100.34) v1(35.09,126.82) v1(35.06,125.8) v1(35.28,98.01) v1(35.64,145.17) v1(35.71,149.26) v1(35.7,147.3) v1(35.68,100.98) v1(35.95,127.45) v1(36.05,126.24) v1(36.06,98.73) v1(36.74,99.46) v1(36.91,145.17) v1(36.98,149.26) v1(36.97,147.3) v1(37.02,128.52) v1(36.99,127.17) v1(37.39,100.11) v1(38.25,149.26) v1(38.24,147.3) v1(38.18,145.17) v1(49.65,159.29) v1(49.59,85.04) v1(49.69,160.73) v1(49.68,157.94) v1(50.69,159.29) v1(50.78,160.73) v1(50.81,157.95) v1(51.78,160.7) v1(51.77,159.33) v1(52.44,158.09) v1(52.54,82.51) v1(53.09,157.46) v1(55.61,93.57) v1(56.74,93.5) v1(58.06,150.8) v1(60.6,93.52) v1(61.77,92.87) v1(63.66,90.78) v1(79.82,157.6) v1(81.34,155.59) v1(88.99,175.74) v1(89.01,171.09) v1(88.96,166.08) v1(89.65,116.27) v1(90.18,116.81) v1(90.26,116.2) v1(90.34,115.59) v1(90.89,116.12) v1(91.86,104.77) v1(97.7,155.67) v1(98.44,139.87) v1(99.2,165.88) v1(105.52,188.28) v1(105.47,84.64) v1(109.31,188.44) v1(110.7,86.86) v1(110.68,85.58) v1(110.67,84.3) v1(111.54,78.2) v1(111.75,188.39) v1(111.94,84.3) v1(111.97,86.86) v1(111.97,85.57) v1(112.13,76.07) v1(113.24,86.86) v1(113.22,85.58) v1(113.21,84.3) v1(113.3,78.73) v1(113.32,75.18) v1(113.93,81.88) v1(113.88,78.17) v1(114.62,188.39) v1(114.79,74.85) v1(115.48,86.53) v1(115.56,81.3) v1(115.78,85.08) v1(115.86,78.1) v1(116.88,74.85) v1(117.28,117.57) v1(117.46,85.16) v1(117.49,81.25) v1(117.66,78.05) v1(117.92,86.58) v1(118.27,188.28) v1(118.5,85.18) v1(118.81,74.92) v1(118.99,86.86) v1(119.16,81.93) v1(120.97,88.94) v1(121.47,87.34) v1(121.47,86.2) v1(121.55,79.17) v1(121.5,77.64) v1(121.88,74.77) v1(121.98,73.15) v1(122.34,86.84) v1(122.26,80.71) v1(122.46,88.89) v1(123.15,79.29) v1(123.3,75.53) v1(123.4,87.95) v1(123.94,73.48) v1(124.42,80.77) v1(125.21,79.27) v1(125.23,74.54) v1(125.51,85.52) v1(125.67,87.12) v1(125.92,76.5) v1(126.17,80.82) v1(126.43,84.83) v1(126.55,83.33) v1(126.83,74.31) v1(126.91,86.4) v1(127.16,79.24) v1(127.6,82.64) v1(127.72,77.34) v1(128.18,85.97) v1(128.23,80.79) v1(128.23,73.83) v1(128.41,87.27) v1(129.35,83.13) v1(129.32,79.27) v1(129.37,87.93) v1(129.55,74.44) v1(129.73,84.7) v1(130.11,75.61) v1(130.16,80.84) v1(130.85,87.62) v1(131.28,85.36) v1(131.53,79.72) v1(131.79,75.36) v1(132.04,83.31) v1(132.02,76.9) v1(132.42,86.51) v1(132.6,74.06) v1(132.81,115.86) v1(132.81,106.65) v1(133.41,77.97) v1(133.69,86) v1(134.07,82.72) v1(134.3,74.06) v1(135.11,84.32) v1(135.16,75.25) v2(8.34,113.35) v2(8.44,124.76) v2(8.47,182.11) v2(8.47,179.57) v2(8.47,177.03) v2(8.47,174.49) v2(8.47,171.95) v2(8.47,169.41) v2(8.47,164.33) v2(8.47,161.79) v2(8.47,159.25) v2(8.47,151.63) v2(8.47,138.93) v2(8.47,133.85) v2(8.47,131.31) v2(8.47,121.15) v2(8.47,95.75) v2(10.5,132.68) v2(14.13,60.78) v2(14.97,187.85) v2(16.67,60.78) v2(17.51,187.85) v2(19.21,60.78) v2(20.05,187.85) v2(21.75,60.78) v2(22.59,187.85) v2(24.29,60.78) v2(25.13,187.85) v2(26.83,60.78) v2(27.67,187.85) v2(28.43,150.74) v2(28.76,149.98) v2(29.37,60.78) v2(30.21,187.85) v2(31.91,60.78) v2(32.75,187.85) v2(34.45,60.78) v2(35.29,187.85) v2(36.99,60.78) v2(37.83,187.85) v2(37.82,178.71) v2(37.92,174.09) v2(39.03,178.7) v2(39.03,174.05) v2(39.53,60.78) v2(40.14,178.71) v2(40.17,174.06) v2(40.37,187.85) v2(42.07,60.78) v2(42.91,187.85) v2(44.57,87.8) v2(44.61,60.78) v2(44.89,91.08) v2(45.02,90.09) v2(45.45,187.85) v2(47.15,60.78) v2(47.99,187.85) v2(49.69,60.78) v2(50.53,187.85) v2(52.23,60.78) v2(53.07,187.85) v2(54.77,60.78) v2(55.61,187.85) v2(57.31,60.78) v2(58.15,187.85) v2(59.85,60.78) v2(60.69,187.85) v2(62.39,60.78) v2(63.23,187.85) v2(64.93,60.78) v2(65.77,187.85) v2(67.47,60.78) v2(68.31,187.85) v2(70.01,60.78) v2(70.85,187.85) v2(72.55,60.78) v2(73.39,187.85) v2(75.09,60.78) v2(75.93,187.85) v2(77.63,60.78) v2(77.76,89.3) v2(78.47,187.85) v2(78.78,89.3) v2(79.72,89.33) v2(80.17,60.78) v2(81.01,187.85) v2(82.71,60.78) v2(83.55,187.85) v2(86.09,187.85) v2(88.63,187.85) v2(95.36,60.78) v2(97.9,60.78) v2(100.44,60.78) v2(102.98,60.78) v2(105.52,60.78) v2(108.06,60.78) v2(110.6,60.78) v2(113.14,60.78) v2(115.68,60.78) v2(118.22,60.78) v2(120.76,60.78) v2(123.3,60.78) v2(125.84,60.78) v2(128.38,60.78) v2(135.57,181.25) v2(135.57,178.71) v2(135.85,130.63) v2(135.85,128.09) v2(135.85,125.55) v2(135.85,123.01) v2(135.85,120.47) v2(135.85,114.29) v2(135.85,111.75) v2(135.85,109.21) v2(135.85,106.67) v2(135.85,104.13) v2(135.8,101.34) v2(135.8,98.8) v2(135.8,96.26) v2(135.8,93.72) v2(135.85,69.89) v2(135.85,67.35) v3(51.8,139.36) v3(51.85,138.27) v3(51.85,136.09) v3(51.85,134.99) v3(51.83,133.88) v3(51.88,137.18) v3(52.21,132.48) v3(56.35,157.37) v3(57.11,154.93) v3(58.16,172.58) v3(58.42,178.27) v3(58.91,156.98) v3(59.7,168.06) v3(60.15,157.56) v3(60.21,179.99) v3(60.2,155.71) v3(60.55,164.75) v3(62.18,180.01) v3(64.02,180.01) v3(64.99,177.36) v3(66.03,175.63) v3(66.08,180.46) v3(68.11,173.3) v3(68.42,178.7) v3(68.36,163.31) v3(68.95,151.43) v3(69.35,171.41) v3(69.59,169.74) v3(69.68,150.26) v3(69.85,179.53) v3(70.32,175) v3(70.32,150.44) v3(70.4,167.9) v3(70.84,180.46) v3(70.78,173.44) v3(70.9,150.89) v3(71.38,150.44) v3(73.04,180.46) v3(73.14,179.3) v3(74.7,155.32) v3(75.11,178.87) v3(75.53,154.49) v3(76.28,168.39) v3(76.71,155.67) v3(78.7,176.6) v3(79.31,170.15) v3(80.66,160.52) v3(81.64,171.99) v3(82.18,167.05) v3(85.48,156.51) v3(86.24,155.9) v3(86.57,157.63) v3(86.98,156.58) v3(107.94,118.81) v3(109.87,118.94) v3(111.06,165.37) v3(111.24,164.15) v3(111.39,117.82) v3(113.09,118.28)
